# Altium PCB PC4-SODIMM_V200_RC_A1_20141015.PcbDoc (part 1 of 6) (continued)
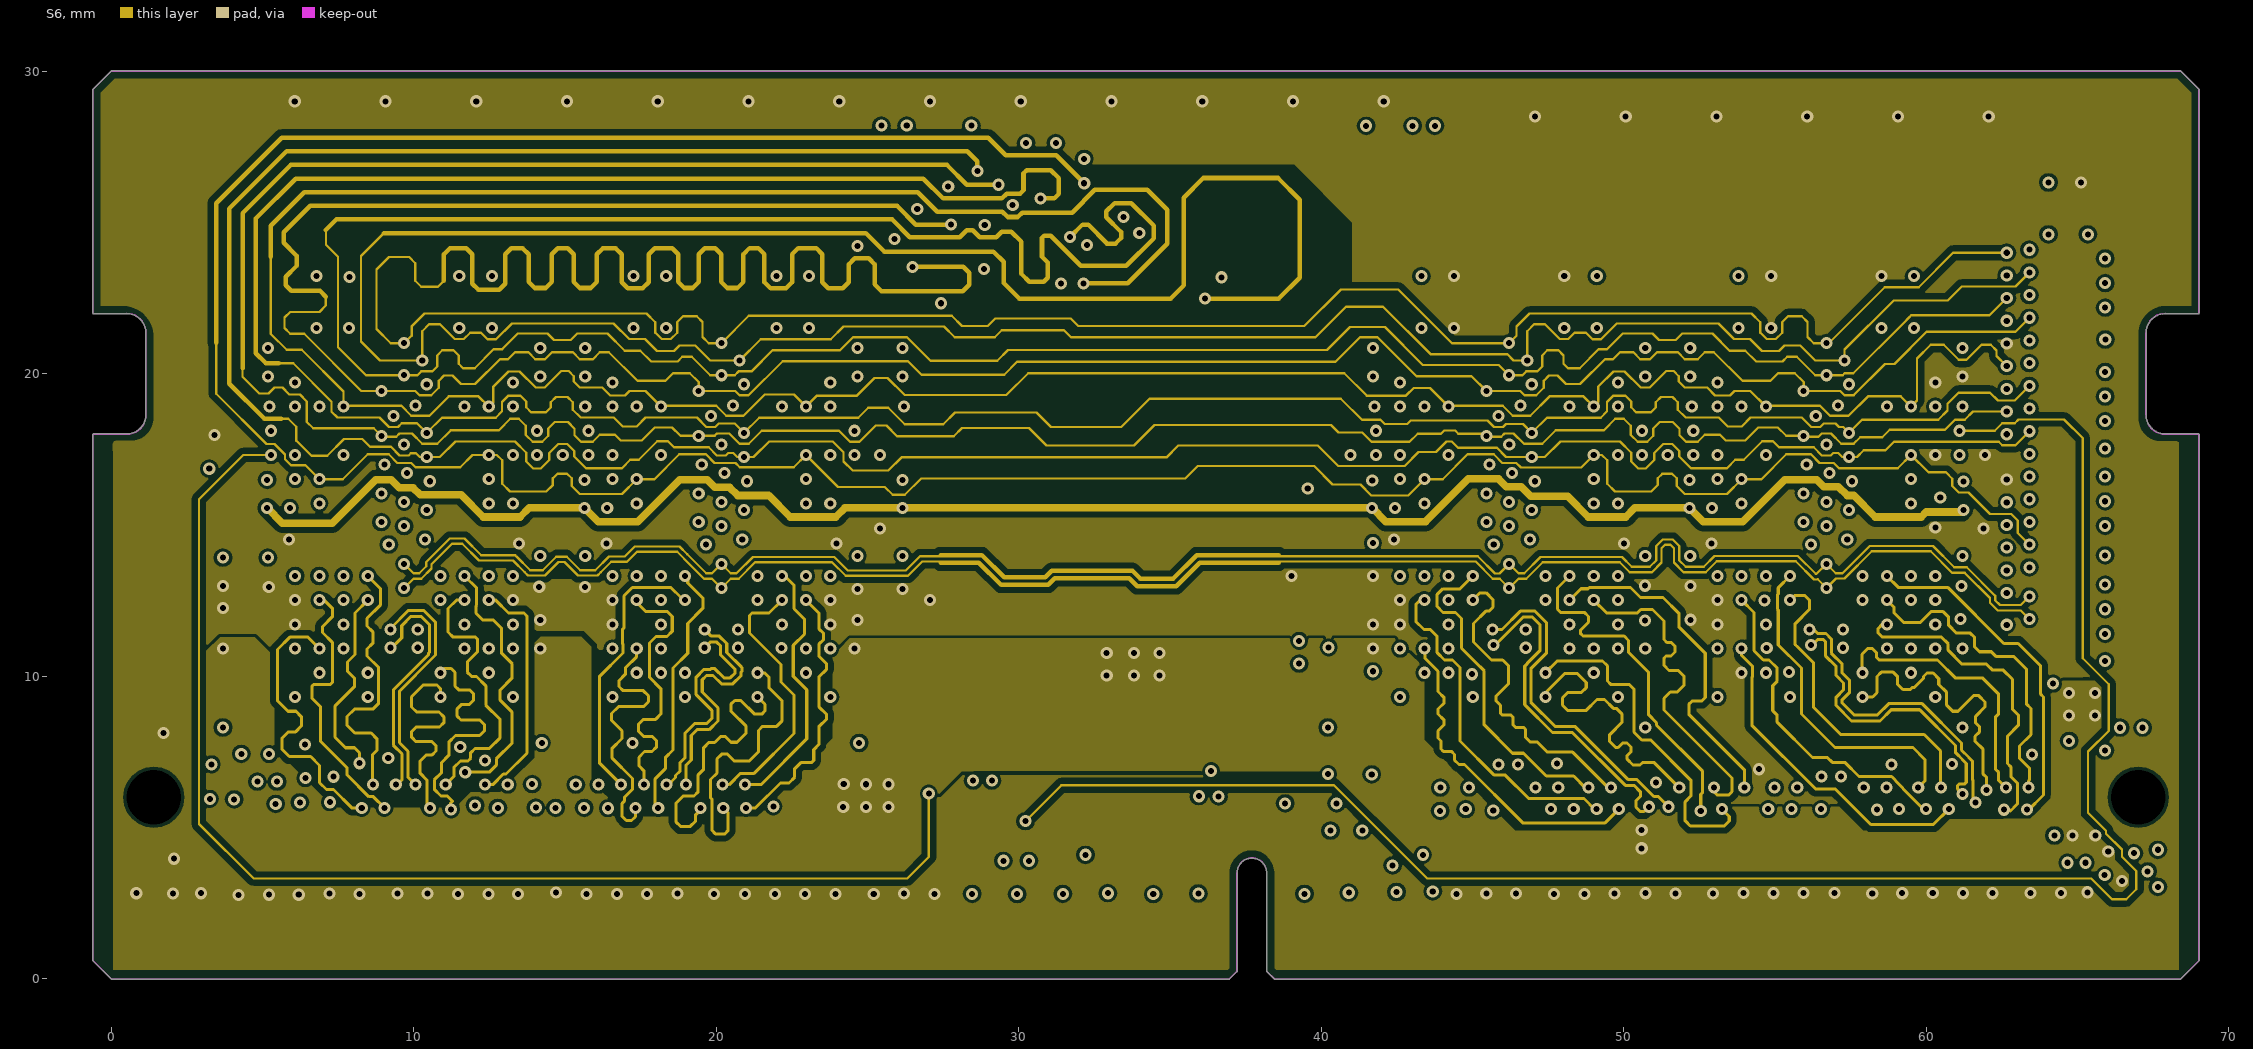
[diagram p6: S6]
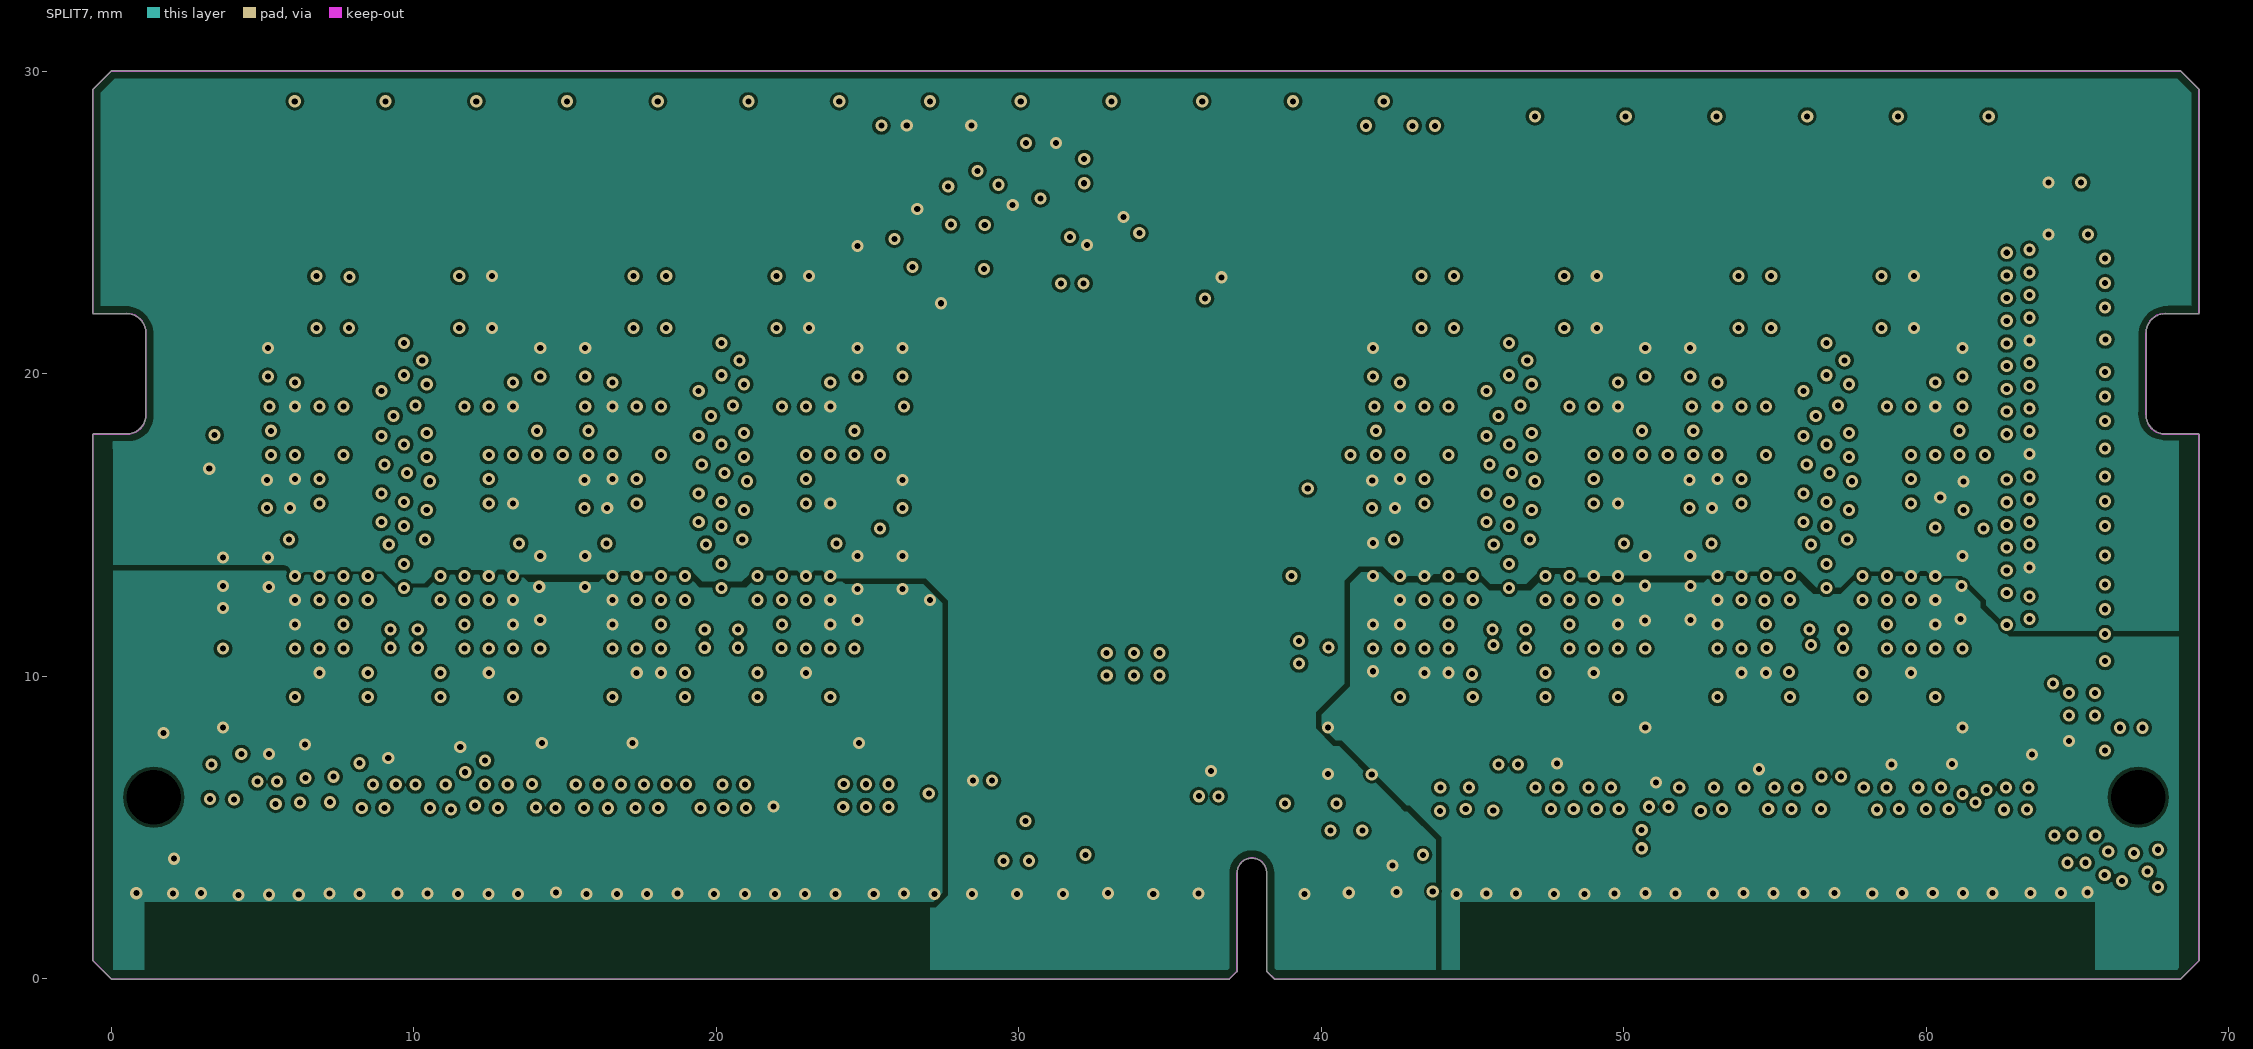
[diagram p7: SPLIT7]
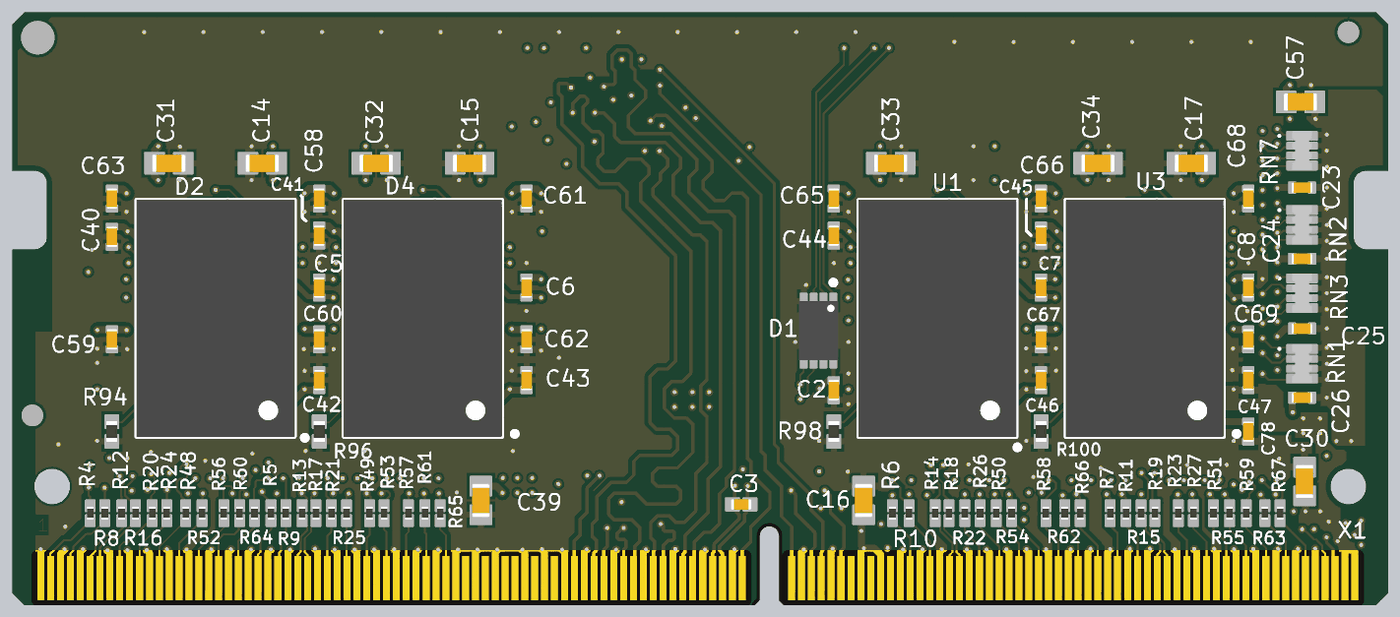
[diagram p13: 3D render of the assembled board from above, using the file's embedded part models]
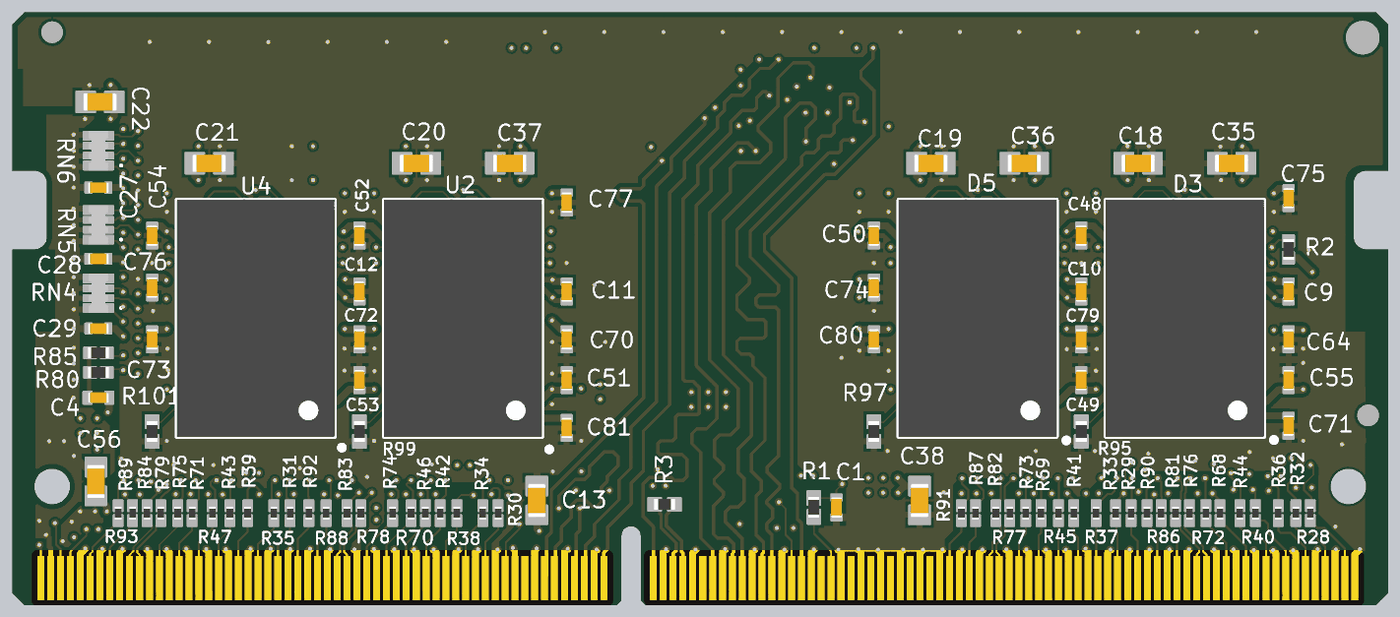
[diagram p14: 3D render of the assembled board from below, using the file's embedded part models]

## Layer stack, top to bottom
Top Solder: solder mask 0.01, Solder Resist, Dk 3.5
TOP: signal copper 0.045
Dielectric 1: core 0.07, FR-4, Dk 4.2
SPLIT2: signal copper 0.015
Dielectric2: core 0.08, FR-4, Dk 4.2
S3: signal copper 0.015
Dielectric3: core 0.32, FR-4, Dk 4.2
VDD4: signal copper 0.015
Dielectric4: core 0.08, FR-4, Dk 4.2
S5: signal copper 0.015
Dielectric5: core 0.32, FR-4, Dk 4.2
S6: signal copper 0.015
Dielectric6: core 0.08, FR-4, Dk 4.2
SPLIT7: signal copper 0.015
Dielectric7: core 0.07, FR-4, Dk 4.2
BOTTOM: signal copper 0.045
Bottom Solder: solder mask 0.01, Solder Resist, Dk 3.5

## Board outline
-0.613,0.6 -0.609,0.591 -0.009,-0.009 0,-0.013 36.95,-0.013 36.959,-0.009 37.209,0.241 37.213,0.25 37.213,3.5 cw(c37.7,3.5) 38.187,3.5 38.187,0.25 38.191,0.241 38.441,-0.009 38.45,-0.013 68.4,-0.013 68.409,-0.009 69.009,0.591 69.013,0.6 69.013,18 69,18.013 67.9,18.013 cw(c67.9,18.65) 67.263,18.65 67.263,21.35 cw(c67.9,21.35) 67.9,21.987 69,21.987 69.013,22 69.013,29.4 69.009,29.409 68.409,30.009 68.4,30.013 0,30.013 -0.009,30.009 -0.609,29.409 -0.613,29.4 -0.613,22 -0.6,21.987 0.5,21.987 cw(c0.5,21.35) 1.137,21.35 1.137,18.65 cw(c0.5,18.65) 0.5,18.013 -0.6,18.013 -0.613,18

## Design rules (kind name [scope] priority, off if disabled: settings)
Clearance Clearance_BL_min [WithinRoom('min0')or WithinRoom('min1')or WithinRoom('min3')or WithinRoom('min4')] p1: gap=0.1 ignorepadtopadclearanceinfootprint=FALSE except(0: Arc-Hole Track-Hole SMDPad-Hole THPad-Hole Via-Hole Fill-Hole Poly-Hole Region-Hole Text-Hole; 0.06: Track-Track; 0.2: Track-Poly SMDPad-Poly)
Clearance Clearance_Control [InNetClass('Control')] p2: gap=0.1 ignorepadtopadclearanceinfootprint=FALSE except(0: Arc-Hole Track-Hole SMDPad-Hole THPad-Hole Via-Hole Fill-Hole Poly-Hole Region-Hole Text-Hole; 0.2: Track-Poly SMDPad-Poly)
Clearance Clearance_BL [(InNetClass('BL0r') or InNetClass('BL1r') or InNetClass('BL2r') or InNetClass('BL3r') or InNetClass('BL4r') or InNetClass('BL5r') or InNetClass('BL6r') or InNetClass('BL7r'))] p3: gap=0.1 ignorepadtopadclearanceinfootprint=FALSE except(0: Arc-Hole Track-Hole SMDPad-Hole THPad-Hole Via-Hole Fill-Hole Poly-Hole Region-Hole Text-Hole; 0.06: Track-Track; 0.2: Track-Poly SMDPad-Poly)
Clearance Clearance_CLK [InNetClass('CLK')] p4: gap=0.1 ignorepadtopadclearanceinfootprint=FALSE except(0: Arc-Hole Track-Hole SMDPad-Hole THPad-Hole Via-Hole Fill-Hole Poly-Hole Region-Hole Text-Hole; 0.2: Track-Poly SMDPad-Poly)
Clearance "Clearance_Address and Comand" [InNetClass('Address and Comand (group1)') or InNetClass('Address and Comand (group2)')] p5: gap=0.1 ignorepadtopadclearanceinfootprint=FALSE except(0: Arc-Hole Track-Hole SMDPad-Hole THPad-Hole Via-Hole Fill-Hole Poly-Hole Region-Hole Text-Hole; 0.2: Track-Poly SMDPad-Poly)
Clearance [All] p6: gap=0.1 ignorepadtopadclearanceinfootprint=FALSE except(0: Arc-Hole Track-Hole SMDPad-Hole THPad-Hole Via-Hole Fill-Hole Poly-Hole Region-Hole Text-Hole; 0.2: Track-Poly SMDPad-Poly)
ComponentClearance [All] p1: gap=0.1 collisioncheckmode=3 verticalgap=0.1 showdistances=FALSE
DiffPairsRouting DiffPairsRouting_CKL [InDifferentialPairClass('CLK')] p1: maxlimit=0.1 minlimit=0.1 mostfreqgap=0.1 toplayer_minwidth=0.09 toplayer_maxwidth=0.17 toplayer_prefwidth=0.17 midlayer1_minwidth=0.075 midlayer1_maxwidth=0.17 midlayer1_prefwidth=0.15 midlayer2_minwidth=0.075 midlayer2_maxwidth=0.17 midlayer2_prefwidth=0.15 midlayer3_minwidth=0.075 midlayer3_maxwidth=0.17 midlayer3_prefwidth=0.15 midlayer4_minwidth=0.075 midlayer4_maxwidth=0.17 midlayer4_prefwidth=0.15 midlayer5_minwidth=0.075 midlayer5_maxwidth=0.17 midlayer5_prefwidth=0.15 midlayer6_minwidth=0.075 midlayer6_maxwidth=0.17 midlayer6_prefwidth=0.15 bottomlayer_minwidth=0.09 bottomlayer_maxwidth=0.17 bottomlayer_prefwidth=0.17 maxuncoupledlength=12.7
DiffPairsRouting DiffPairsRouting_DQS [InDifferentialPairClass('DQS')] p2: maxlimit=0.254 minlimit=0.1 mostfreqgap=0.1 toplayer_minwidth=0.1 toplayer_maxwidth=0.381 toplayer_prefwidth=0.1 midlayer1_minwidth=0.1 midlayer1_maxwidth=0.381 midlayer1_prefwidth=0.1 midlayer2_minwidth=0.1 midlayer2_maxwidth=0.381 midlayer2_prefwidth=0.1 midlayer3_minwidth=0.1 midlayer3_maxwidth=0.381 midlayer3_prefwidth=0.1 midlayer4_minwidth=0.1 midlayer4_maxwidth=0.381 midlayer4_prefwidth=0.1 midlayer5_minwidth=0.1 midlayer5_maxwidth=0.381 midlayer5_prefwidth=0.1 midlayer6_minwidth=0.1 midlayer6_maxwidth=0.381 midlayer6_prefwidth=0.1 bottomlayer_minwidth=0.1 bottomlayer_maxwidth=0.381 bottomlayer_prefwidth=0.1 maxuncoupledlength=12.7
MatchedLengths MatchedLengths_BL0 [InxSignalClass('xSignals_BL0')] p1: tolerance=0.02 checknetsindiffpair=FALSE checkdiffpairvsdiffpair=TRUE checkxsignals=TRUE checkothers=TRUE
MatchedLengths MatchedLengths_BL1 [InxSignalClass('xSignals_BL1')] p2: tolerance=0.02 checknetsindiffpair=FALSE checkdiffpairvsdiffpair=TRUE checkxsignals=TRUE checkothers=TRUE
MatchedLengths MatchedLengths_BL2 [InxSignalClass('xSignals_BL2')] p3: tolerance=0.02 checknetsindiffpair=FALSE checkdiffpairvsdiffpair=TRUE checkxsignals=TRUE checkothers=TRUE
MatchedLengths MatchedLengths_BL3 [InxSignalClass('xSignals_BL3')] p4: tolerance=0.02 checknetsindiffpair=FALSE checkdiffpairvsdiffpair=TRUE checkxsignals=TRUE checkothers=TRUE
MatchedLengths MatchedLengths_BL4 [InxSignalClass('xSignals_BL4')] p5: tolerance=0.02 checknetsindiffpair=FALSE checkdiffpairvsdiffpair=TRUE checkxsignals=TRUE checkothers=TRUE
MatchedLengths MatchedLengths_BL5 [InxSignalClass('xSignals_BL5')] p6: tolerance=0.02 checknetsindiffpair=FALSE checkdiffpairvsdiffpair=TRUE checkxsignals=TRUE checkothers=TRUE
MatchedLengths MatchedLengths_BL6 [InxSignalClass('xSignals_BL6')] p7: tolerance=0.02 checknetsindiffpair=FALSE checkdiffpairvsdiffpair=TRUE checkxsignals=TRUE checkothers=TRUE
MatchedLengths MatchedLengths_BL7 [InxSignalClass('xSignals_BL7')] p8: tolerance=0.02 checknetsindiffpair=FALSE checkdiffpairvsdiffpair=TRUE checkxsignals=TRUE checkothers=TRUE
MatchedLengths "MatchedLengths_Address and Comand (group2)_U9" [(InxSignalClass('xSignals_Address and Comand (group2)_P1_U9'))] p9: tolerance=1.5 checknetsindiffpair=FALSE checkdiffpairvsdiffpair=TRUE checkxsignals=TRUE checkothers=TRUE
MatchedLengths "MatchedLengths_Address and Comand (group2)_U1" [(InxSignalClass('xSignals_Address and Comand (group2)_P1_U1'))] p10: tolerance=1.5 checknetsindiffpair=FALSE checkdiffpairvsdiffpair=TRUE checkxsignals=TRUE checkothers=TRUE
MatchedLengths "MatchedLengths_Address and Comand (group2)_U2" [(InxSignalClass('xSignals_Address and Comand (group2)_P1_U2'))] p11: tolerance=1.5 checknetsindiffpair=FALSE checkdiffpairvsdiffpair=TRUE checkxsignals=TRUE checkothers=TRUE
MatchedLengths "MatchedLengths_Address and Comand (group2)_U8" [(InxSignalClass('xSignals_Address and Comand (group2)_P1_U8'))] p12: tolerance=1.5 checknetsindiffpair=FALSE checkdiffpairvsdiffpair=TRUE checkxsignals=TRUE checkothers=TRUE
MatchedLengths "MatchedLengths_Address and Comand (group2)_U7" [(InxSignalClass('xSignals_Address and Comand (group2)_P1_U7'))] p13: tolerance=1.5 checknetsindiffpair=FALSE checkdiffpairvsdiffpair=TRUE checkxsignals=TRUE checkothers=TRUE
MatchedLengths "MatchedLengths_Address and Comand (group2)_U4" [(InxSignalClass('xSignals_Address and Comand (group2)_P1_U4'))] p14: tolerance=1.5 checknetsindiffpair=FALSE checkdiffpairvsdiffpair=TRUE checkxsignals=TRUE checkothers=TRUE
MatchedLengths "MatchedLengths_Address and Comand (group2)_U6" [(InxSignalClass('xSignals_Address and Comand (group2)_P1_U6'))] p15: tolerance=1.5 checknetsindiffpair=FALSE checkdiffpairvsdiffpair=TRUE checkxsignals=TRUE checkothers=TRUE
MatchedLengths "MatchedLengths_Address and Comand (group2)_U5" [(InxSignalClass('xSignals_Address and Comand (group2)_P1_U5'))] p16: tolerance=1.5 checknetsindiffpair=FALSE checkdiffpairvsdiffpair=TRUE checkxsignals=TRUE checkothers=TRUE
MatchedLengths "MatchedLengths_Address and Comand (group1)_P1_U9" [(InxSignalClass('xSignals_Address and Comand (group1)_P1_U9')) or (InxSignalClass('xSignals_Control (group1)_P1_U9')) or (InxSignalClass('xSignals_CLK (group1)_P1_U9'))] p17: tolerance=0.03 checknetsindiffpair=FALSE checkdiffpairvsdiffpair=TRUE checkxsignals=TRUE checkothers=TRUE
MatchedLengths "MatchedLengths_Address and Comand (group1)_P1_U4" [(InxSignalClass('xSignals_Address and Comand (group1)_P1_U4')) or (InxSignalClass('xSignals_Control (group1)_P1_U4')) or (InxSignalClass('xSignals_CLK (group1)_P1_U4'))] p18: tolerance=2 checknetsindiffpair=FALSE checkdiffpairvsdiffpair=TRUE checkxsignals=TRUE checkothers=TRUE
MatchedLengths "MatchedLengths_Address and Comand (group1)_P1_U7" [(InxSignalClass('xSignals_Address and Comand (group1)_P1_U7')) or (InxSignalClass('xSignals_Control (group1)_P1_U7')) or (InxSignalClass('xSignals_CLK (group1)_P1_U7'))] p19: tolerance=0.03 checknetsindiffpair=FALSE checkdiffpairvsdiffpair=TRUE checkxsignals=TRUE checkothers=TRUE
MatchedLengths "MatchedLengths_Address and Comand (group1)_P1_U5" [(InxSignalClass('xSignals_Address and Comand (group1)_P1_U5')) or (InxSignalClass('xSignals_Control (group1)_P1_U5')) or (InxSignalClass('xSignals_CLK (group1)_P1_U5'))] p20: tolerance=2 checknetsindiffpair=FALSE checkdiffpairvsdiffpair=TRUE checkxsignals=TRUE checkothers=TRUE
MatchedLengths "MatchedLengths_Address and Comand (group1)_P1_U6" [(InxSignalClass('xSignals_Address and Comand (group1)_P1_U6')) or (InxSignalClass('xSignals_Control (group1)_P1_U6')) or (InxSignalClass('xSignals_CLK (group1)_P1_U6'))] p21: tolerance=0.03 checknetsindiffpair=FALSE checkdiffpairvsdiffpair=TRUE checkxsignals=TRUE checkothers=TRUE
MatchedLengths "MatchedLengths_Address and Comand (group1)_P1_U8" [(InxSignalClass('xSignals_Address and Comand (group1)_P1_U8')) or (InxSignalClass('xSignals_Control (group1)_P1_U8')) or (InxSignalClass('xSignals_CLK (group1)_P1_U8'))] p22: tolerance=0.03 checknetsindiffpair=FALSE checkdiffpairvsdiffpair=TRUE checkxsignals=TRUE checkothers=TRUE
MatchedLengths "MatchedLengths_Address and Comand (group1)_P1_U2" [(InxSignalClass('xSignals_Address and Comand (group1)_P1_U2')) or (InxSignalClass('xSignals_Control (group1)_P1_U2')) or (InxSignalClass('xSignals_CLK (group1)_P1_U2'))] p23: tolerance=2 checknetsindiffpair=FALSE checkdiffpairvsdiffpair=TRUE checkxsignals=TRUE checkothers=TRUE
MatchedLengths "MatchedLengths_Address and Comand (group1)_P1_U1" [(InxSignalClass('xSignals_Address and Comand (group1)_P1_U1')) or (InxSignalClass('xSignals_Control (group1)_P1_U1')) or (InxSignalClass('xSignals_CLK (group1)_P1_U1'))] p24: tolerance=2 checknetsindiffpair=FALSE checkdiffpairvsdiffpair=TRUE checkxsignals=TRUE checkothers=TRUE
MinimumSolderMaskSliver [All] p1: minsoldermaskwidth=0.05
PasteMaskExpansion [All] p1: expansion=0.05
PlaneClearance [All] p1: clearance=0.3
PlaneConnect [InNetClass('Power')] p1: planeconnectstyle=Relief reliefexpansion=0 reliefentries=4 reliefconductorwidth=0.3 reliefairgap=0.2
PolygonConnect Pad [IsPad And InAnyComponent] p1: connectstyle=Relief reliefconductorwidth=0.3 reliefentries=4 polygonreliefangle="90 Angle" airgapwidth=0.2
PolygonConnect all [All] p2: connectstyle=Direct reliefconductorwidth=0.254 reliefentries=4 polygonreliefangle="90 Angle" airgapwidth=0.254
RoutingVias [All] p1: holewidth=0.2 width=0.4 viastyle="Through Hole" minholewidth=0.2 minwidth=0.4 maxholewidth=0.2 maxwidth=0.4
SilkToSilkClearance [All] p1: silktosilkclearance=0.1
SilkToSolderMaskClearance [IsPad] p1: minsilkscreentomaskgap=0.05 clearancetoexposedcopper=FALSE
SolderMaskExpansion [All] p1: expansion=0.05 istentingtop=FALSE
Width Width_POWER [InNetClass('Power')] p1: maxlimit=0.4 minlimit=0.15 preferedwidth=0.35
Width "Width_Address and Comand" [InNetClass('Address and Comand (group1)') or InNetClass('Control')] p2: maxlimit=0.17 minlimit=0.075 preferedwidth=0.15 toplayer_minwidth=0.09 toplayer_prefwidth=0.17 bottomlayer_minwidth=0.09 bottomlayer_prefwidth=0.17 minimp=50.000000 maximp=50.000000 favimp=50.000000
Width Width_DQ [InNetClass('DQ')] p3: maxlimit=0.1 minlimit=0.09 preferedwidth=0.1
22 further rules are at their usual default settings.

## Classes and differential pairs
net class "Address and Comand (group2)": A07 A08 A16 BA0 BA1
component class "Components Class 3": C4 C17 C29 C37 C46 C58 C67 C72
component class "Components Class 2": R1 R27 R33 R55 R59 R81 R84 R92
net class DQ: DM0 DM0R DM1 DM1R DM2 DM2R DM3 DM3R DM4 DM4R DM5 DM5R DM6 DM6R DM7 DM7R DQ00 DQ00R DQ01 DQ01R DQ02 DQ02R DQ03 DQ03R DQ04 DQ04R DQ05 DQ05R DQ06 DQ06R DQ07 DQ07R DQ08 DQ08R DQ09 DQ09R DQ10 DQ10R DQ11 DQ11R DQ12 DQ12R DQ13 DQ13R DQ14 DQ14R DQ15 DQ15R DQ16 DQ16R DQ17 DQ17R DQ18 DQ18R DQ19 DQ19R DQ20 DQ20R DQ21 DQ21R DQ22 DQ22R DQ23 DQ23R DQ24 DQ24R DQ25 DQ25R DQ26 DQ26R DQ27 DQ27R DQ28 DQ28R DQ29 DQ29R DQ30 DQ30R DQ31 DQ31R DQ32 DQ32R DQ33 DQ33R DQ34 DQ34R DQ35 DQ35R DQ36 DQ36R DQ37 DQ37R DQ38 DQ38R DQ39 DQ39R DQ40 DQ40R DQ41 DQ41R DQ42 DQ42R DQ43 DQ43R DQ44 DQ44R DQ45 DQ45R DQ46 DQ46R DQ47 DQ47R DQ48 DQ48R DQ49 DQ49R DQ50 DQ50R DQ51 DQ51R DQ52 DQ52R DQ53 DQ53R DQ54 DQ54R DQ55 DQ55R DQ56 DQ56R DQ57 DQ57R DQ58 DQ58R DQ59 DQ59R DQ60 DQ60R DQ61 DQ61R DQ62 DQ62R DQ63 DQ63R DQS0_N DQS0_P DQS0R_N DQS0R_P DQS1_N DQS1_P DQS1R_N DQS1R_P DQS2_N DQS2_P DQS2R_N DQS2R_P DQS3_N DQS3_P DQS3R_N DQS3R_P DQS4_N DQS4_P DQS4R_N DQS4R_P DQS5_N DQS5_P DQS5R_N DQS5R_P DQS6_N DQS6_P DQS6R_N DQS6R_P DQS7_N DQS7_P DQS7R_N DQS7R_P
differential pair class DQS: DQS0 DQS0R DQS1 DQS1R DQS2 DQS2R DQS3 DQS3R DQS4 DQS4R DQS5 DQS5R DQS6 DQS6R DQS7 DQS7R
net class Control: CKE0 ODT0 S0
net class CLK: CK0_N CK0_P
net class "Address and Comand (group1)": A00 A01 A02 A03 A04 A05 A06 A09 A10 A11 A12 A13 A14 A15 ACT BG0 BG1 PARITY
net class BL7: DM7 DQ56 DQ57 DQ58 DQ59 DQ60 DQ61 DQ62 DQ63 DQS1R_N DQS7_N DQS7_P
net class BL6: DM6 DQ48 DQ49 DQ50 DQ51 DQ52 DQ53 DQ54 DQ55 DQS6_N DQS6_P
net class BL5: DM5 DQ40 DQ41 DQ42 DQ43 DQ44 DQ45 DQ46 DQ47 DQS5_N DQS5_P
net class BL4: DM4 DQ32 DQ33 DQ34 DQ35 DQ36 DQ37 DQ38 DQ39 DQ43 DQS4_N DQS4_P
net class BL3: DM3 DQ24 DQ25 DQ26 DQ27 DQ28 DQ29 DQ30 DQ31 DQS3_N DQS3_P
net class BL2: DM2 DQ16 DQ17 DQ18 DQ19 DQ20 DQ21 DQ22 DQ23 DQS2_N DQS2_P
net class BL1: DM1 DQ08 DQ09 DQ10 DQ11 DQ12 DQ13 DQ14 DQ15 DQS1_N DQS1_P
net class BL0: DM0 DQ00 DQ01 DQ02 DQ03 DQ04 DQ05 DQ06 DQ07 DQS0_N DQS0_P
net class Power: GND VDD VDDSPD VPP VREFCA VTT
component class Sheet5: C1 C3 C4 C5 C6 C7 C8 C9 C10 C11 C12 C13 C15 C16 C17 C18 C19 C20 C21 C22 C23 C24 C25 C26 C27 C28 C29 C30 C31 C32 C33 C34 C35 C37 C38 C39 C40 C41 C42 C43 C45 C46 C47 C48 C49 C50 C51 C52 C54 C55 C56 C57 C58 C59 C60 C61 C62 C63 C64 C65 C66 C67 C68 C70 C71 C72 C73 C74 C75 C76 C77 C78 C79 C80 C81
component class Sheet4: D1 D2 R32 R40 R62 R101 U2 U4
component class Sheet3: D2 D3 D4 D5 R68 R72 R94 R97
component class Sheet2: C4 R1 R4 R5 R6 R7 R8 R9 R10 R11 R12 R13 R14 R15 R16 R17 R18 R19 R20 R21 R22 R23 R24 R25 R26 R27 R29 R30 R31 R33 R34 R35 R36 R37 R38 R39 R40 R41 R42 R43 R45 R46 R47 R48 R49 R50 R51 R52 R53 R54 R55 R56 R57 R58 R59 R60 R61 R62 R63 R64 R65 R66 R67 R68 R69 R70 R71 R72 R73 R74 R75 R77 R78 R79 R80 R81 R82 R83 R84 R85 R86 R87 R88 R89 R90 R91 R92 R93 R97 R101 RN1 RN2 RN3 RN4 RN5 RN6 RN7
component class Sheet1: C3 C5 C31 D1 R1 R40 R68 X1
net class BL0r: DM0R DQ00R DQ01R DQ02R DQ03R DQ04R DQ05R DQ06R DQ07R DQS0R_N DQS0R_P
net class BL1r: DM1R DQ08R DQ09R DQ10R DQ11R DQ12R DQ13R DQ14R DQ15R DQS1R_N DQS1R_P
net class BL2r: DM2R DQ16R DQ17R DQ18R DQ19R DQ20R DQ21 DQ21R DQ22R DQ23R DQS2R_N DQS2R_P
net class BL3r: DM3 DQ24R DQ25R DQ26R DQ27R DQ28R DQ29R DQ30R DQ31R DQS3R_N DQS3R_P
net class BL4r: DM4R DQ32R DQ33R DQ34R DQ35R DQ36R DQ37R DQ38R DQ39R DQS4R_N DQS4R_P
net class BL5r: DM5R DQ40R DQ41R DQ42R DQ43R DQ44R DQ45R DQ46R DQ47R DQS5R_N DQS5R_P
net class BL6r: DM6R DQ48R DQ49R DQ50R DQ51R DQ52R DQ53R DQ54R DQ55R DQS6R_N DQS6R_P
net class BL7r: DM7R DQ56R DQ57R DQ58R DQ59R DQ60R DQ61R DQ62R DQ63R DQS7R_N DQS7R_P
component class "Components Class 1": R5 R8 R9 R12 R13 R16 R17 R20 R21 R24 R25 R29 R32 R33 R34 R37 R39 R40 R41 R46 R55 R56 R60 R61 R62 R65 R68 R69 R72 R77 R81 R82 R85 R86 R87 R89 R90 R91 R92 R97 R99 R101
differential pair class CLK: CK0 CK1
differential pair DQS7: +DQS7_P -DQS7_N
differential pair DQS7R: +DQS7R_P -DQS7R_N
differential pair DQS6: +DQS6_P -DQS6_N
differential pair DQS6R: +DQS6R_P -DQS6R_N
differential pair DQS5: +DQS5_P -DQS5_N
differential pair DQS5R: +DQS5R_P -DQS5R_N
differential pair DQS4: +DQS4_P -DQS4_N
differential pair DQS4R: +DQS4R_P -DQS4R_N
differential pair DQS3: +DQS3_P -DQS3_N
differential pair DQS3R: +DQS3R_P -DQS3R_N
differential pair DQS2: +DQS2_P -DQS2_N
differential pair DQS2R: +DQS2R_P -DQS2R_N
differential pair DQS1: +DQS1_P -DQS1_N
differential pair DQS1R: +DQS1R_P -DQS1R_N